# Allegro board 8880F5-0826_3.brd (continued)
## Routing (per net, layer and track width the routed paths; a pad name or vN(x,y) marks a point on that pad's centre or on a via; arc(x,y) is an arc through that point) (continued)
; D122.B6 246.38,82.09 ; D122.B6 245.57,81.28 ; D231.A16 162.56,374.19 ; D231.A16 163.37,373.38 ; D231.A16 161.75,373.38 ; D231.A16 162.56,372.57 ; D122.A16 272.59,76.2 ; D122.A16 270.97,76.2 ; D122.A16 271.78,77.01 ; D122.A16 271.78,75.39 ; 347.17,375.92 D115.A1 ; D115.A1 347.98,375.11 ; D115.A1 347.98,376.73 ; D115.A1 348.79,375.92 ; D126.B9 33.83,78.74 ; D126.B9 32.21,78.74 ; D126.B9 33.02,77.93 ; D126.B9 33.02,79.55 ; D119.B8 178.61,60.96 ; D119.B8 177.8,61.77 ; D119.B8 177.8,60.15 ; D119.B8 176.99,60.96 ; 238.05,63.5 D322.A3 ; D322.A3 238.76,62.79 ; D322.A3 239.47,63.5 ; D322.A3 238.76,64.21 ; 25.4,100.79 D125.B6 ; D125.B6 25.4,102.41 ; D125.B6 26.21,101.6 ; D125.B6 24.59,101.6 ; 232.97,88.9 D321.B1 ; D321.B1 233.68,89.61 ; D321.B1 233.68,88.19 ; D321.B1 234.39,88.9 ; 342.9,334.47 D113.A3 ; D113.A3 342.09,335.28 ; D113.A3 342.9,336.09 ; D113.A3 343.71,335.28 ; D103.B15 342.9,59.23 ; D103.B15 343.71,58.42 ; D103.B15 342.09,58.42 ; D103.B15 342.9,57.61 ; D102.B11 333.55,78.74 ; D102.B11 332.74,79.55 ; D102.B11 331.93,78.74 ; D102.B11 332.74,77.93 ; D130.B3 91.44,79.55 ; D130.B3 92.25,78.74 ; D130.B3 91.44,77.93 ; D130.B3 90.63,78.74 ; D305.A6 393.7,87.07 ; D305.A6 392.99,86.36 ; D305.A6 394.41,86.36 ; D305.A6 393.7,85.65 ; 265.89,55.88 D123.A14 ; D123.A14 266.7,56.69 ; D123.A14 267.51,55.88 ; D123.A14 266.7,55.07 ; D305.B13 412.19,88.9 ; D305.B13 411.48,89.61 ; D305.B13 410.77,88.9 ; D305.B13 411.48,88.19 ; D132.B14 119.38,41.45 ; D132.B14 119.38,39.83 ; D132.B14 118.57,40.64 ; D132.B14 120.19,40.64 ; D116.B14 314.96,389.43 ; D116.B14 314.15,388.62 ; D116.B14 314.96,387.81 ; D116.B14 315.77,388.62 ; D128.B11 38.1,38.91 ; D128.B11 38.91,38.1 ; D128.B11 38.1,37.29 ; D128.B11 37.29,38.1 ; 166.83,378.46 D431.B14 ; D431.B14 168.45,378.46 ; D431.B14 167.64,379.27 ; D431.B14 167.64,377.65 ; 311.61,335.28 D113.A15 ; D113.A15 312.42,336.09 ; D113.A15 312.42,334.47 ; D113.A15 313.23,335.28 ; 88.09,96.52 D129.A2 ; D129.A2 88.9,95.71 ; D129.A2 89.71,96.52 ; D129.A2 88.9,97.33 ; D321.A12 261.62,87.07 ; D321.A12 262.33,86.36 ; D321.A12 261.62,85.65 ; D321.A12 260.91,86.36 ; D122.A12 261.62,77.01 ; D122.A12 261.62,75.39 ; D122.A12 260.81,76.2 ; D122.A12 262.43,76.2 ; D125.B11 38.91,99.06 ; D125.B11 37.29,99.06 ; D125.B11 38.1,99.87 ; D125.B11 38.1,98.25 ; 259.08,329.39 CSDPS225.C7 ; CSDPS225.C7 259.08,331.01 ; CSDPS225.C7 258.27,330.2 ; CSDPS225.C7 259.89,330.2 ; 337.11,63.5 D302.A13 ; D302.A13 337.82,62.79 ; D302.A13 338.53,63.5 ; D302.A13 337.82,64.21 ; 160.02,72.85 D118.A1 ; D118.A1 160.83,73.66 ; D118.A1 160.02,74.47 ; D118.A1 159.21,73.66 ; D116.A13 317.5,397.05 ; D116.A13 317.5,395.43 ; D116.A13 318.31,396.24 ; D116.A13 316.69,396.24 ; D131.B3 92.25,58.42 ; D131.B3 91.44,57.61 ; D131.B3 91.44,59.23 ; D131.B3 90.63,58.42 ; SITE1.G15 251.91,242.83 ; SITE1.G15 251.43,243.31 ; SITE1.G15 250.95,242.83 ; SITE1.G15 251.43,242.35 ; 307.34,72.85 D102.A1 ; D102.A1 306.53,73.66 ; D102.A1 308.15,73.66 ; D102.A1 307.34,74.47 ; D108.B16 419.91,40.64 ; D108.B16 419.1,41.45 ; D108.B16 418.29,40.64 ; D108.B16 419.1,39.83 ; D119.A4 167.64,56.69 ; D119.A4 168.45,55.88 ; D119.A4 167.64,55.07 ; D119.A4 166.83,55.88 ; 159.21,38.1 D120.B1 ; D120.B1 160.02,38.91 ; D120.B1 160.02,37.29 ; D120.B1 160.83,38.1 ; 316.69,355.6 D114.A13 ; D114.A13 317.5,356.41 ; D114.A13 317.5,354.79 ; D114.A13 318.31,355.6 ; 198.12,331.93 CSDPS229.B2 ; CSDPS229.B2 198.12,333.55 ; CSDPS229.B2 197.31,332.74 ; CSDPS229.B2 198.93,332.74 ; 184.61,38.1 D120.B11 ; D120.B11 185.42,37.29 ; D120.B11 186.23,38.1 ; D120.B11 185.42,38.91 ; 91.44,37.29 D132.B3 ; D132.B3 91.44,38.91 ; D132.B3 90.63,38.1 ; D132.B3 92.25,38.1 ; 177.8,85.65 D317.A8 ; D317.A8 177.09,86.36 ; D317.A8 178.51,86.36 ; D317.A8 177.8,87.07 ; DPS8.A05 191.31,415.29 ; DPS8.A05 189.69,415.29 ; DPS8.A05 190.5,414.48 ; DPS8.A05 190.5,416.1 ; D131.B13 116.84,59.23 ; D131.B13 116.03,58.42 ; D131.B13 116.84,57.61 ; D131.B13 117.65,58.42 ; 237.95,73.66 D122.A3 ; D122.A3 239.57,73.66 ; D122.A3 238.76,72.85 ; D122.A3 238.76,74.47 ; D106.B8 399.59,81.28 ; D106.B8 397.97,81.28 ; D106.B8 398.78,82.09 ; D106.B8 398.78,80.47 ; D431.B12 173.53,378.46 ; D431.B12 171.91,378.46 ; D431.B12 172.72,377.65 ; D431.B12 172.72,379.27 ; 335.28,352.25 D114.A6 ; D114.A6 336.09,353.06 ; D114.A6 334.47,353.06 ; D114.A6 335.28,353.87 ; D431.A17 160.02,386.89 ; D431.A17 159.21,386.08 ; D431.A17 160.83,386.08 ; D431.A17 160.02,385.27 ; D125.B1 12.7,99.87 ; D125.B1 11.89,99.06 ; D125.B1 13.51,99.06 ; D125.B1 12.7,98.25 ; 271.07,86.36 D321.A16 ; D321.A16 271.78,87.07 ; D321.A16 272.49,86.36 ; D321.A16 271.78,85.65 ; 197.31,81.28 D118.B16 ; D118.B16 198.93,81.28 ; D118.B16 198.12,80.47 ; D118.B16 198.12,82.09 ; 388.62,392.89 D112.A14 ; D112.A14 389.43,393.7 ; D112.A14 387.81,393.7 ; D112.A14 388.62,394.51 ; 250.65,35.56 D124.A8 ; D124.A8 251.46,36.37 ; D124.A8 251.46,34.75 ; D124.A8 252.27,35.56 ; D126.A14 45.72,77.01 ; D126.A14 45.72,75.39 ; D126.A14 46.53,76.2 ; D126.A14 44.91,76.2 ; SITE4.G15 331.43,183.31 ; SITE4.G15 330.95,182.83 ; SITE4.G15 331.91,182.83 ; SITE4.G15 331.43,182.35 ; D119.A8 177.8,56.69 ; D119.A8 176.99,55.88 ; D119.A8 178.61,55.88 ; D119.A8 177.8,55.07 ; 172.72,34.75 D120.A6 ; D120.A6 171.91,35.56 ; D120.A6 173.53,35.56 ; D120.A6 172.72,36.37 ; D114.B4 341.17,347.98 ; D114.B4 340.36,348.79 ; D114.B4 339.55,347.98 ; D114.B4 340.36,347.17 ; D111.B11 396.24,371.65 ; D111.B11 397.05,370.84 ; D111.B11 395.43,370.84 ; D111.B11 396.24,370.03 ; 319.23,40.64 D104.B6 ; D104.B6 320.04,41.45 ; D104.B6 320.04,39.83 ; D104.B6 320.85,40.64 ; D107.A2 383.54,56.69 ; D107.A2 383.54,55.07 ; D107.A2 382.73,55.88 ; D107.A2 384.35,55.88 ; 325.12,75.39 D102.A8 ; D102.A8 325.12,77.01 ; D102.A8 325.93,76.2 ; D102.A8 324.31,76.2 ; D306.A7 396.24,64.21 ; D306.A7 396.95,63.5 ; D306.A7 395.53,63.5 ; D306.A7 396.24,62.79 ; 166.83,35.56 D120.A4 ; D120.A4 167.64,36.37 ; D120.A4 167.64,34.75 ; D120.A4 168.45,35.56 ; 383.54,367.49 D111.B16 ; D111.B16 384.35,368.3 ; D111.B16 383.54,369.11 ; D111.B16 382.73,368.3 ; 185.42,88.19 D317.B11 ; D317.B11 186.13,88.9 ; D317.B11 184.71,88.9 ; D317.B11 185.42,89.61 ; 189.79,88.9 D317.B13 ; D317.B13 190.5,88.19 ; D317.B13 190.5,89.61 ; D317.B13 191.21,88.9 ; CSDPS429.B16 162.56,343.71 ; CSDPS429.B16 163.37,342.9 ; CSDPS429.B16 162.56,342.09 ; CSDPS429.B16 161.75,342.9 ; 116.84,93.17 D129.A13 ; D129.A13 116.84,94.79 ; D129.A13 117.65,93.98 ; D129.A13 116.03,93.98 ; 114.3,100.79 D129.B12 ; D129.B12 113.49,101.6 ; D129.B12 114.3,102.41 ; D129.B12 115.11,101.6 ; 339.55,40.64 D104.B14 ; D104.B14 340.36,39.83 ; D104.B14 340.36,41.45 ; D104.B14 341.17,40.64 ; 309.88,39.83 D104.B2 ; D104.B2 309.07,40.64 ; D104.B2 309.88,41.45 ; D104.B2 310.69,40.64 ; CSDPS429.B2 198.12,343.71 ; CSDPS429.B2 197.31,342.9 ; CSDPS429.B2 198.93,342.9 ; CSDPS429.B2 198.12,342.09 ; 398.78,75.39 D106.A8 ; D106.A8 399.59,76.2 ; D106.A8 398.78,77.01 ; D106.A8 397.97,76.2 ; D431.A5 191.31,386.08 ; D431.A5 190.5,386.89 ; D431.A5 189.69,386.08 ; D431.A5 190.5,385.27 ; D306.B16 419.81,71.12 ; D306.B16 419.1,70.41 ; D306.B16 419.1,71.83 ; D306.B16 418.39,71.12 ; 331.93,330.2 D113.B7 ; D113.B7 332.74,331.01 ; D113.B7 333.55,330.2 ; D113.B7 332.74,329.39 ; D119.A10 182.88,56.69 ; D119.A10 182.07,55.88 ; D119.A10 182.88,55.07 ; D119.A10 183.69,55.88 ; 331.93,73.66 D102.A11 ; D102.A11 332.74,72.85 ; D102.A11 333.55,73.66 ; D102.A11 332.74,74.47 ; 119.38,60.15 D131.B14 ; D131.B14 119.38,61.77 ; D131.B14 118.57,60.96 ; D131.B14 120.19,60.96 ; D107.B12 409.75,60.96 ; D107.B12 408.94,61.77 ; D107.B12 408.94,60.15 ; D107.B12 408.13,60.96 ; D122.A7 249.73,73.66 ; D122.A7 248.11,73.66 ; D122.A7 248.92,74.47 ; D122.A7 248.92,72.85 ; 347.98,354.79 D114.A1 ; D114.A1 348.79,355.6 ; D114.A1 347.98,356.41 ; D114.A1 347.17,355.6 ; 321.77,415.29 DPS2.A11 ; DPS2.A11 322.58,414.48 ; DPS2.A11 322.58,416.1 ; DPS2.A11 323.39,415.29 ; D125.A5 22.86,94.79 ; D125.A5 22.86,93.17 ; D125.A5 23.67,93.98 ; D125.A5 22.05,93.98 ; 261.62,55.07 D123.A12 ; D123.A12 261.62,56.69 ; D123.A12 262.43,55.88 ; D123.A12 260.81,55.88 ; D129.B15 121.92,99.87 ; D129.B15 121.11,99.06 ; D129.B15 121.92,98.25 ; D129.B15 122.73,99.06 ; 236.22,34.75 D124.A2 ; D124.A2 236.22,36.37 ; D124.A2 235.41,35.56 ; D124.A2 237.03,35.56 ; 189.69,73.66 D118.A13 ; D118.A13 191.31,73.66 ; D118.A13 190.5,72.85 ; D118.A13 190.5,74.47 ; D301.A8 325.12,87.07 ; D301.A8 325.83,86.36 ; D301.A8 325.12,85.65 ; D301.A8 324.41,86.36 ; D120.B7 176.07,38.1 ; D120.B7 175.26,38.91 ; D120.B7 175.26,37.29 ; D120.B7 174.45,38.1 ; D116.B9 328.47,391.16 ; D116.B9 327.66,390.35 ; D116.B9 326.85,391.16 ; D116.B9 327.66,391.97 ; 314.96,75.39 D102.A4 ; D102.A4 315.77,76.2 ; D102.A4 314.96,77.01 ; D102.A4 314.15,76.2 ; 166.93,86.36 D317.A4 ; D317.A4 167.64,85.65 ; D317.A4 168.35,86.36 ; D317.A4 167.64,87.07 ; 344.63,327.66 D113.B2 ; D113.B2 345.44,326.85 ; D113.B2 346.25,327.66 ; D113.B2 345.44,328.47 ; 406.4,67.87 D306.B11 ; D306.B11 406.4,69.29 ; D306.B11 405.69,68.58 ; D306.B11 407.11,68.58 ; D124.A3 238.76,33.83 ; D124.A3 237.95,33.02 ; D124.A3 239.57,33.02 ; D124.A3 238.76,32.21 ; D322.B14 266.7,71.83 ; D322.B14 266.7,70.41 ; D322.B14 267.41,71.12 ; D322.B14 265.99,71.12 ; 329.39,327.66 D113.B8 ; D113.B8 331.01,327.66 ; D113.B8 330.2,328.47 ; D113.B8 330.2,326.85 ; D321.B12 262.33,91.44 ; D321.B12 260.91,91.44 ; D321.B12 261.62,90.73 ; D321.B12 261.62,92.15 ; 481.65,185.11 UNK4U1.4 ; UNK4U1.4 482.59,186.05 ; UNK4U1.4 482.59,184.17 ; UNK4U1.4 483.53,185.11 ; 314.15,35.56 D104.A4 ; D104.A4 315.77,35.56 ; D104.A4 314.96,34.75 ; D104.A4 314.96,36.37 ; D127.B11 38.1,59.23 ; D127.B11 37.29,58.42 ; D127.B11 38.91,58.42 ; D127.B11 38.1,57.61 ; D318.A11 185.42,64.21 ; D318.A11 184.71,63.5 ; D318.A11 185.42,62.79 ; D318.A11 186.13,63.5 ; DPS1.A01 381.81,13.97 ; DPS1.A01 381,14.78 ; DPS1.A01 381,13.16 ; DPS1.A01 380.19,13.97 ; 329.33,180.85 SITE4.G2 ; SITE4.G2 329.81,181.33 ; SITE4.G2 328.85,181.33 ; SITE4.G2 329.33,181.81 ; D102.B13 338.63,78.74 ; D102.B13 337.82,77.93 ; D102.B13 337.01,78.74 ; D102.B13 337.82,79.55 ; 327.66,52.53 D103.A9 ; D103.A9 327.66,54.15 ; D103.A9 326.85,53.34 ; D103.A9 328.47,53.34 ; 265.89,342.9 CSDPS425.B4 ; CSDPS425.B4 266.7,342.09 ; CSDPS425.B4 266.7,343.71 ; CSDPS425.B4 267.51,342.9 ; SITE2.G10 331.81,247.93 ; SITE2.G10 331.33,247.45 ; SITE2.G10 331.33,248.41 ; SITE2.G10 330.85,247.93 ; 335.28,347.17 D114.B6 ; D114.B6 335.28,348.79 ; D114.B6 334.47,347.98 ; D114.B6 336.09,347.98 ; D305.A9 402.03,83.82 ; D305.A9 401.32,83.11 ; D305.A9 400.61,83.82 ; D305.A9 401.32,84.53 ; D103.B3 313.23,58.42 ; D103.B3 312.42,57.61 ; D103.B3 311.61,58.42 ; D103.B3 312.42,59.23 ; 253.29,83.82 D321.A9 ; D321.A9 254.71,83.82 ; D321.A9 254,83.11 ; D321.A9 254,84.53 ; D102.A3 312.42,74.47 ; D102.A3 313.23,73.66 ; D102.A3 311.61,73.66 ; D102.A3 312.42,72.85 ; D103.B6 320.85,60.96 ; D103.B6 319.23,60.96 ; D103.B6 320.04,61.77 ; D103.B6 320.04,60.15 ; 113.49,35.56 D132.A12 ; D132.A12 114.3,36.37 ; D132.A12 115.11,35.56 ; D132.A12 114.3,34.75 ; D124.B16 271.78,41.45 ; D124.B16 272.59,40.64 ; D124.B16 270.97,40.64 ; D124.B16 271.78,39.83 ; 411.48,57.61 D107.B13 ; D107.B13 410.67,58.42 ; D107.B13 412.29,58.42 ; D107.B13 411.48,59.23 ; 165.1,83.11 D317.A3 ; D317.A3 165.1,84.53 ; D317.A3 164.39,83.82 ; D317.A3 165.81,83.82 ; D305.B11 406.4,89.61 ; D305.B11 405.69,88.9 ; D305.B11 407.11,88.9 ; D305.B11 406.4,88.19 ; D106.A2 383.54,77.01 ; D106.A2 384.35,76.2 ; D106.A2 382.73,76.2 ; D106.A2 383.54,75.39 ; 16.97,33.02 D128.A3 ; D128.A3 17.78,33.83 ; D128.A3 17.78,32.21 ; D128.A3 18.59,33.02 ; D109.A9 401.32,336.09 ; D109.A9 400.51,335.28 ; D109.A9 402.13,335.28 ; D109.A9 401.32,334.47 ; 164.39,68.58 D318.B3 ; D318.B3 165.81,68.58 ; D318.B3 165.1,69.29 ; D318.B3 165.1,67.87 ; D123.A15 269.24,54.15 ; D123.A15 270.05,53.34 ; D123.A15 269.24,52.53 ; D123.A15 268.43,53.34 ; D132.A14 119.38,36.37 ; D132.A14 119.38,34.75 ; D132.A14 118.57,35.56 ; D132.A14 120.19,35.56 ; D110.B3 416.56,351.33 ; D110.B3 417.37,350.52 ; D110.B3 416.56,349.71 ; D110.B3 415.75,350.52 ; 182.17,86.36 D317.A10 ; D317.A10 182.88,87.07 ; D317.A10 182.88,85.65 ; D317.A10 183.59,86.36 ; 255.73,40.64 D124.B10 ; D124.B10 256.54,39.83 ; D124.B10 256.54,41.45 ; D124.B10 257.35,40.64 ; 345.44,387.81 D116.B2 ; D116.B2 345.44,389.43 ; D116.B2 344.63,388.62 ; D116.B2 346.25,388.62 ; 335.28,80.47 D102.B12 ; D102.B12 334.47,81.28 ; D102.B12 335.28,82.09 ; D102.B12 336.09,81.28 ; 340.36,367.49 D115.B4 ; D115.B4 341.17,368.3 ; D115.B4 340.36,369.11 ; D115.B4 339.55,368.3 ; 408.23,86.36 D305.A12 ; D305.A12 409.65,86.36 ; D305.A12 408.94,87.07 ; D305.A12 408.94,85.65 ; D116.A16 310.69,393.7 ; D116.A16 309.88,394.51 ; D116.A16 309.88,392.89 ; D116.A16 309.07,393.7 ; 405.59,375.92 D111.A7 ; D111.A7 406.4,376.73 ; D111.A7 406.4,375.11 ; D111.A7 407.21,375.92 ; D129.B7 102.41,99.06 ; D129.B7 100.79,99.06 ; D129.B7 101.6,99.87 ; D129.B7 101.6,98.25 ; CSDPS225.B8 256.54,333.55 ; CSDPS225.B8 255.73,332.74 ; CSDPS225.B8 257.35,332.74 ; CSDPS225.B8 256.54,331.93 ; D124.B5 244.65,38.1 ; D124.B5 243.03,38.1 ; D124.B5 243.84,37.29 ; D124.B5 243.84,38.91 ; 398.78,85.65 D305.A8 ; D305.A8 399.49,86.36 ; D305.A8 398.78,87.07 ; D305.A8 398.07,86.36 ; D103.A10 330.2,56.69 ; D103.A10 329.39,55.88 ; D103.A10 331.01,55.88 ; D103.A10 330.2,55.07 ; 172.72,367.49 D231.B12 ; D231.B12 171.91,368.3 ; D231.B12 172.72,369.11 ; D231.B12 173.53,368.3 ; D431.B5 191.31,381 ; D431.B5 189.69,381 ; D431.B5 190.5,380.19 ; D431.B5 190.5,381.81 ; D301.A12 335.28,87.07 ; D301.A12 335.28,85.65 ; D301.A12 335.99,86.36 ; D301.A12 334.57,86.36 ; 392.89,40.64 D108.B6 ; D108.B6 393.7,41.45 ; D108.B6 394.51,40.64 ; D108.B6 393.7,39.83 ; CSDPS229.C15 165.1,331.01 ; CSDPS229.C15 164.29,330.2 ; CSDPS229.C15 165.91,330.2 ; CSDPS229.C15 165.1,329.39 ; D108.B5 391.97,38.1 ; D108.B5 391.16,37.29 ; D108.B5 390.35,38.1 ; D108.B5 391.16,38.91 ; 88.9,80.47 D130.B2 ; D130.B2 88.9,82.09 ; D130.B2 88.09,81.28 ; D130.B2 89.71,81.28 ; D112.A10 399.59,393.7 ; D112.A10 397.97,393.7 ; D112.A10 398.78,392.89 ; D112.A10 398.78,394.51 ; 174.45,386.08 D431.A11 ; D431.A11 176.07,386.08 ; D431.A11 175.26,385.27 ; D431.A11 175.26,386.89 ; D112.B3 417.37,391.16 ; D112.B3 415.75,391.16 ; D112.B3 416.56,391.97 ; D112.B3 416.56,390.35 ; 415.75,33.02 D108.A15 ; D108.A15 416.56,33.83 ; D108.A15 416.56,32.21 ; D108.A15 417.37,33.02 ; D112.B11 396.24,391.97 ; D112.B11 397.05,391.16 ; D112.B11 395.43,391.16 ; D112.B11 396.24,390.35 ; 98.25,96.52 D129.A6 ; D129.A6 99.06,97.33 ; D129.A6 99.87,96.52 ; D129.A6 99.06,95.71 ; D129.B11 112.57,99.06 ; D129.B11 111.76,98.25 ; D129.B11 111.76,99.87 ; D129.B11 110.95,99.06 ; SITE1.G17 249.51,246.43 ; SITE1.G17 248.55,246.43 ; SITE1.G17 249.03,245.95 ; SITE1.G17 249.03,246.91 ; 419.1,60.15 D107.B16 ; D107.B16 419.1,61.77 ; D107.B16 419.91,60.96 ; D107.B16 418.29,60.96 ; 15.24,34.75 D128.A2 ; D128.A2 14.43,35.56 ; D128.A2 15.24,36.37 ; D128.A2 16.05,35.56 ; D306.A14 414.02,66.75 ; D306.A14 414.73,66.04 ; D306.A14 413.31,66.04 ; D306.A14 414.02,65.33 ; 406.4,52.53 D107.A11 ; D107.A11 405.59,53.34 ; D107.A11 407.21,53.34 ; D107.A11 406.4,54.15 ; DPS3.C15 269.24,19.86 ; DPS3.C15 269.24,18.24 ; DPS3.C15 268.43,19.05 ; DPS3.C15 270.05,19.05 ; D114.B11 322.58,351.33 ; D114.B11 321.77,350.52 ; D114.B11 323.39,350.52 ; D114.B11 322.58,349.71 ; SITE2.G6 333.81,241.33 ; SITE2.G6 332.85,241.33 ; SITE2.G6 333.33,240.85 ; SITE2.G6 333.33,241.81 ; D111.B5 411.48,371.65 ; D111.B5 410.67,370.84 ; D111.B5 412.29,370.84 ; D111.B5 411.48,370.03 ; 185.42,375.11 D231.A7 ; D231.A7 186.23,375.92 ; D231.A7 184.61,375.92 ; D231.A7 185.42,376.73 ; D119.A7 175.26,54.15 ; D119.A7 175.26,52.53 ; D119.A7 176.07,53.34 ; D119.A7 174.45,53.34 ; 332.15,246.43 SITE2.G20 ; SITE2.G20 332.63,245.95 ; SITE2.G20 333.11,246.43 ; SITE2.G20 332.63,246.91 ; D125.B12 40.64,102.41 ; D125.B12 39.83,101.6 ; D125.B12 41.45,101.6 ; D125.B12 40.64,100.79 ; D104.A15 342.9,33.83 ; D104.A15 343.71,33.02 ; D104.A15 342.9,32.21 ; D104.A15 342.09,33.02 ; D131.B8 104.14,61.77 ; D131.B8 103.33,60.96 ; D131.B8 104.95,60.96 ; D131.B8 104.14,60.15 ; SITE3.G9 250.33,188.41 ; SITE3.G9 250.33,187.45 ; SITE3.G9 250.81,187.93 ; SITE3.G9 249.85,187.93 ; 398.78,70.41 D306.B8 ; D306.B8 398.78,71.83 ; D306.B8 398.07,71.12 ; D306.B8 399.49,71.12 ; 189.69,33.02 D120.A13 ; D120.A13 190.5,32.21 ; D120.A13 191.31,33.02 ; D120.A13 190.5,33.83 ; 159.21,58.42 D119.B1 ; D119.B1 160.02,57.61 ; D119.B1 160.02,59.23 ; D119.B1 160.83,58.42 ; 248.92,77.93 D122.B7 ; D122.B7 248.92,79.55 ; D122.B7 249.73,78.74 ; D122.B7 248.11,78.74 ; 250.85,187.93 SITE3.G10 ; SITE3.G10 251.33,188.41 ; SITE3.G10 251.81,187.93 ; SITE3.G10 251.33,187.45 ; 381,52.53 D107.A1 ; D107.A1 381.81,53.34 ; D107.A1 380.19,53.34 ; D107.A1 381,54.15 ; D103.B2 310.69,60.96 ; D103.B2 309.07,60.96 ; D103.B2 309.88,60.15 ; D103.B2 309.88,61.77 ; D127.A11 38.1,54.15 ; D127.A11 38.91,53.34 ; D127.A11 37.29,53.34 ; D127.A11 38.1,52.53 ; D321.B7 248.92,89.61 ; D321.B7 249.63,88.9 ; D321.B7 248.21,88.9 ; D321.B7 248.92,88.19 ; 331.43,242.35 SITE2.G15 ; SITE2.G15 331.91,242.83 ; SITE2.G15 331.43,243.31 ; SITE2.G15 330.95,242.83 ; D322.B3 238.76,69.29 ; D322.B3 239.47,68.58 ; D322.B3 238.76,67.87 ; D322.B3 238.05,68.58 ; D131.B10 110.03,60.96 ; D131.B10 108.41,60.96 ; D131.B10 109.22,61.77 ; D131.B10 109.22,60.15 ; SITE3.G17 249.03,186.91 ; SITE3.G17 248.55,186.43 ; SITE3.G17 249.03,185.95 ; SITE3.G17 249.51,186.43 ; 247.85,187.93 SITE3.G7 ; SITE3.G7 248.81,187.93 ; SITE3.G7 248.33,187.45 ; SITE3.G7 248.33,188.41 ; CSDPS425.C3 269.24,341.17 ; CSDPS425.C3 270.05,340.36 ; CSDPS425.C3 269.24,339.55 ; CSDPS425.C3 268.43,340.36 ; D322.B16 271.78,71.83 ; D322.B16 271.78,70.41 ; D322.B16 272.49,71.12 ; D322.B16 271.07,71.12 ; D431.A16 163.37,383.54 ; D431.A16 162.56,384.35 ; D431.A16 162.56,382.73 ; D431.A16 161.75,383.54 ; SITE2.G12 333.81,247.93 ; SITE2.G12 333.33,247.45 ; SITE2.G12 333.33,248.41 ; SITE2.G12 332.85,247.93 ; 175.26,67.87 D318.B7 ; D318.B7 175.97,68.58 ; D318.B7 175.26,69.29 ; D318.B7 174.55,68.58 ; D104.B10 331.01,40.64 ; D104.B10 330.2,39.83 ; D104.B10 329.39,40.64 ; D104.B10 330.2,41.45 ; D113.A8 331.01,332.74 ; D113.A8 330.2,331.93 ; D113.A8 329.39,332.74 ; D113.A8 330.2,333.55 ; D120.B12 187.96,41.45 ; D120.B12 188.77,40.64 ; D120.B12 187.15,40.64 ; D120.B12 187.96,39.83 ; D109.A16 383.54,333.55 ; D109.A16 382.73,332.74 ; D109.A16 383.54,331.93 ; D109.A16 384.35,332.74 ; D116.B3 343.71,391.16 ; D116.B3 342.09,391.16 ; D116.B3 342.9,390.35 ; D116.B3 342.9,391.97 ; 25.4,55.07 D127.A6 ; D127.A6 26.21,55.88 ; D127.A6 25.4,56.69 ; D127.A6 24.59,55.88 ; D115.B1 348.79,370.84 ; D115.B1 347.98,370.03 ; D115.B1 347.17,370.84 ; D115.B1 347.98,371.65 ; SITE3.G8 249.33,188.41 ; SITE3.G8 249.81,187.93 ; SITE3.G8 249.33,187.45 ; SITE3.G8 248.85,187.93 ; D124.B2 236.22,41.45 ; D124.B2 236.22,39.83 ; D124.B2 237.03,40.64 ; D124.B2 235.41,40.64 ; D118.A16 198.12,77.01 ; D118.A16 198.93,76.2 ; D118.A16 197.31,76.2 ; D118.A16 198.12,75.39 ; 406.4,370.03 D111.B7 ; D111.B7 407.21,370.84 ; D111.B7 406.4,371.65 ; D111.B7 405.59,370.84 ; SITE2.G17 329.03,246.91 ; SITE2.G17 329.51,246.43 ; SITE2.G17 329.03,245.95 ; SITE2.G17 328.55,246.43 ; DPS1.C01 381,19.86 ; DPS1.C01 381.81,19.05 ; DPS1.C01 380.19,19.05 ; DPS1.C01 381,18.24 ; 403.15,86.36 D305.A10 ; D305.A10 403.86,85.65 ; D305.A10 404.57,86.36 ; D305.A10 403.86,87.07 ; D112.B15 386.89,391.16 ; D112.B15 385.27,391.16 ; D112.B15 386.08,391.97 ; D112.B15 386.08,390.35 ; D109.A8 404.67,332.74 ; D109.A8 403.05,332.74 ; D109.A8 403.86,331.93 ; D109.A8 403.86,333.55 ; D120.B6 173.53,40.64 ; D120.B6 171.91,40.64 ; D120.B6 172.72,41.45 ; D120.B6 172.72,39.83 ; D115.B3 342.9,371.65 ; D115.B3 343.71,370.84 ; D115.B3 342.9,370.03 ; D115.B3 342.09,370.84 ; 395.53,83.82 D305.A7 ; D305.A7 396.95,83.82 ; D305.A7 396.24,84.53 ; D305.A7 396.24,83.11 ; 176.99,35.56 D120.A8 ; D120.A8 178.61,35.56 ; D120.A8 177.8,34.75 ; D120.A8 177.8,36.37 ; 164.29,73.66 D118.A3 ; D118.A3 165.1,74.47 ; D118.A3 165.1,72.85 ; D118.A3 165.91,73.66 ; 27.13,38.1 D128.B7 ; D128.B7 28.75,38.1 ; D128.B7 27.94,37.29 ; D128.B7 27.94,38.91 ; 387.81,55.88 D107.A4 ; D107.A4 388.62,55.07 ; D107.A4 389.43,55.88 ; D107.A4 388.62,56.69 ; SITE4.G17 329.51,186.43 ; SITE4.G17 328.55,186.43 ; SITE4.G17 329.03,185.95 ; SITE4.G17 329.03,186.91 ; 29.67,60.96 D127.B8 ; D127.B8 31.29,60.96 ; D127.B8 30.48,60.15 ; D127.B8 30.48,61.77 ; 256.54,80.47 D122.B10 ; D122.B10 256.54,82.09 ; D122.B10 255.73,81.28 ; D122.B10 257.35,81.28 ; D306.B12 409.65,71.12 ; D306.B12 408.94,71.83 ; D306.B12 408.23,71.12 ; D306.B12 408.94,70.41 ; 390.45,63.5 D306.A5 ; D306.A5 391.87,63.5 ; D306.A5 391.16,64.21 ; D306.A5 391.16,62.79 ; 327.66,349.71 D114.B9 ; D114.B9 326.85,350.52 ; D114.B9 328.47,350.52 ; D114.B9 327.66,351.33 ; 395.43,335.28 D109.A11 ; D109.A11 396.24,334.47 ; D109.A11 396.24,336.09 ; D109.A11 397.05,335.28 ; 253.19,73.66 D122.A9 ; D122.A9 254.81,73.66 ; D122.A9 254,74.47 ; D122.A9 254,72.85 ; D119.A15 196.39,53.34 ; D119.A15 195.58,52.53 ; D119.A15 195.58,54.15 ; D119.A15 194.77,53.34 ; 47.45,73.66 D126.A15 ; D126.A15 49.07,73.66 ; D126.A15 48.26,72.85 ; D126.A15 48.26,74.47 ; D122.A11 259.89,73.66 ; D122.A11 259.08,72.85 ; D122.A11 259.08,74.47 ; D122.A11 258.27,73.66 ; D130.A3 91.44,74.47 ; D130.A3 91.44,72.85 ; D130.A3 92.25,73.66 ; D130.A3 90.63,73.66 ; 22.05,78.74 D126.B5 ; D126.B5 22.86,79.55 ; D126.B5 23.67,78.74 ; D126.B5 22.86,77.93 ; D104.B11 333.55,38.1 ; D104.B11 332.74,38.91 ; D104.B11 331.93,38.1 ; D104.B11 332.74,37.29 ; 317.5,57.61 D103.B5 ; D103.B5 316.69,58.42 ; D103.B5 318.31,58.42 ; D103.B5 317.5,59.23 ; 248.92,37.29 D124.B7 ; D124.B7 248.11,38.1 ; D124.B7 248.92,38.91 ; D124.B7 249.73,38.1 ; 103.33,35.56 D132.A8 ; D132.A8 104.14,36.37 ; D132.A8 104.95,35.56 ; D132.A8 104.14,34.75 ; 162.56,90.73 D317.B2 ; D317.B2 163.27,91.44 ; D317.B2 162.56,92.15 ; D317.B2 161.85,91.44 ; D103.B11 333.55,58.42 ; D103.B11 332.74,57.61 ; D103.B11 331.93,58.42 ; D103.B11 332.74,59.23 ; D113.A10 325.12,333.55 ; D113.A10 325.93,332.74 ; D113.A10 325.12,331.93 ; D113.A10 324.31,332.74 ; D127.A8 31.29,55.88 ; D127.A8 30.48,55.07 ; D127.A8 30.48,56.69 ; D127.A8 29.67,55.88 ; D231.B11 175.26,371.65 ; D231.B11 175.26,370.03 ; D231.B11 176.07,370.84 ; D231.B11 174.45,370.84 ; D118.B12 187.96,82.09 ; D118.B12 187.96,80.47 ; D118.B12 187.15,81.28 ; D118.B12 188.77,81.28 ; D302.B12 335.28,71.83 ; D302.B12 335.99,71.12 ; D302.B12 335.28,70.41 ; D302.B12 334.57,71.12 ; 332.74,83.11 D301.A11 ; D301.A11 333.45,83.82 ; D301.A11 332.74,84.53 ; D301.A11 332.03,83.82 ; D115.B13 318.31,370.84 ; D115.B13 317.5,370.03 ; D115.B13 316.69,370.84 ; D115.B13 317.5,371.65 ; 119.38,80.47 D130.B14 ; D130.B14 118.57,81.28 ; D130.B14 120.19,81.28 ; D130.B14 119.38,82.09 ; 185.42,380.19 D431.B7 ; D431.B7 185.42,381.81 ; D431.B7 184.61,381 ; D431.B7 186.23,381 ; D126.B13 43.18,79.55 ; D126.B13 43.99,78.74 ; D126.B13 42.37,78.74 ; D126.B13 43.18,77.93 ; 121.11,53.34 D131.A15 ; D131.A15 122.73,53.34 ; D131.A15 121.92,54.15 ; D131.A15 121.92,52.53 ; D113.A13 317.5,336.09 ; D113.A13 318.31,335.28 ; D113.A13 317.5,334.47 ; D113.A13 316.69,335.28 ; 24.59,40.64 D128.B6 ; D128.B6 26.21,40.64 ; D128.B6 25.4,39.83 ; D128.B6 25.4,41.45 ; DPS2.A01 347.98,416.1 ; DPS2.A01 347.17,415.29 ; DPS2.A01 348.79,415.29 ; DPS2.A01 347.98,414.48 ; D132.A5 96.52,33.83 ; D132.A5 97.33,33.02 ; D132.A5 95.71,33.02 ; D132.A5 96.52,32.21 ; D106.B13 412.29,78.74 ; D106.B13 410.67,78.74 ; D106.B13 411.48,79.55 ; D106.B13 411.48,77.93 ; 311.61,410.21 DPS2.C15 ; DPS2.C15 312.42,409.4 ; DPS2.C15 313.23,410.21 ; DPS2.C15 312.42,411.02 ; D104.A8 325.93,35.56 ; D104.A8 325.12,36.37 ; D104.A8 325.12,34.75 ; D104.A8 324.31,35.56 ; D114.A9 327.66,356.41 ; D114.A9 328.47,355.6 ; D114.A9 326.85,355.6 ; D114.A9 327.66,354.79 ; D102.A5 317.5,74.47 ; D102.A5 318.31,73.66 ; D102.A5 316.69,73.66 ; D102.A5 317.5,72.85 ; D318.A9 181.05,63.5 ; D318.A9 180.34,64.21 ; D318.A9 179.63,63.5 ; D318.A9 180.34,62.79 ; 45.72,34.75 D128.A14 ; D128.A14 44.91,35.56 ; D128.A14 46.53,35.56 ; D128.A14 45.72,36.37 ; D125.B7 28.75,99.06 ; D125.B7 27.13,99.06 ; D125.B7 27.94,98.25 ; D125.B7 27.94,99.87 ; D129.A7 102.41,93.98 ; D129.A7 100.79,93.98 ; D129.A7 101.6,94.79 ; D129.A7 101.6,93.17 ; 42.37,33.02 D128.A13 ; D128.A13 43.18,33.83 ; D128.A13 43.18,32.21 ; D128.A13 43.99,33.02 ; 238.76,52.53 D123.A3 ; D123.A3 238.76,54.15 ; D123.A3 239.57,53.34 ; D123.A3 237.95,53.34 ; 174.45,330.2 CSDPS229.C11 ; CSDPS229.C11 176.07,330.2 ; CSDPS229.C11 175.26,331.01 ; CSDPS229.C11 175.26,329.39 ; 344.63,368.3 D115.B2 ; D115.B2 345.44,369.11 ; D115.B2 345.44,367.49 ; D115.B2 346.25,368.3 ; D119.B15 196.39,58.42 ; D119.B15 194.77,58.42 ; D119.B15 195.58,57.61 ; D119.B15 195.58,59.23 ; D317.B5 170.18,89.61 ; D317.B5 170.18,88.19 ; D317.B5 170.89,88.9 ; D317.B5 169.47,88.9 ; D106.A5 391.97,73.66 ; D106.A5 391.16,74.47 ; D106.A5 391.16,72.85 ; D106.A5 390.35,73.66 ; D111.B10 398.78,369.11 ; D111.B10 397.97,368.3 ; D111.B10 399.59,368.3 ; D111.B10 398.78,367.49 ; D104.A9 327.66,33.83 ; D104.A9 327.66,32.21 ; D104.A9 326.85,33.02 ; D104.A9 328.47,33.02 ; D109.A4 414.02,333.55 ; D109.A4 414.83,332.74 ; D109.A4 414.02,331.93 ; D109.A4 413.21,332.74 ; D110.A1 422.45,355.6 ; D110.A1 421.64,354.79 ; D110.A1 420.83,355.6 ; D110.A1 421.64,356.41 ; D124.A14 267.51,35.56 ; D124.A14 266.7,34.75 ; D124.A14 266.7,36.37 ; D124.A14 265.89,35.56 ; D128.A15 49.07,33.02 ; D128.A15 48.26,33.83 ; D128.A15 48.26,32.21 ; D128.A15 47.45,33.02 ; D124.B14 266.7,41.45 ; D124.B14 265.89,40.64 ; D124.B14 266.7,39.83 ; D124.B14 267.51,40.64 ; D129.A9 107.49,93.98 ; D129.A9 105.87,93.98 ; D129.A9 106.68,94.79 ; D129.A9 106.68,93.17 ; 265.89,332.74 CSDPS225.B4 ; CSDPS225.B4 267.51,332.74 ; CSDPS225.B4 266.7,333.55 ; CSDPS225.B4 266.7,331.93 ; 20.32,55.07 D127.A4 ; D127.A4 21.13,55.88 ; D127.A4 19.51,55.88 ; D127.A4 20.32,56.69 ; 335.28,55.07 D103.A12 ; D103.A12 334.47,55.88 ; D103.A12 336.09,55.88 ; D103.A12 335.28,56.69 ; 238.76,83.11 D321.A3 ; D321.A3 238.76,84.53 ; D321.A3 238.05,83.82 ; D321.A3 239.47,83.82 ; 160.02,88.19 D317.B1 ; D317.B1 160.73,88.9 ; D317.B1 159.31,88.9 ; D317.B1 160.02,89.61 ; D116.A3 343.71,396.24 ; D116.A3 342.09,396.24 ; D116.A3 342.9,395.43 ; D116.A3 342.9,397.05 ; 124.46,95.71 D129.A16 ; D129.A16 125.27,96.52 ; D129.A16 123.65,96.52 ; D129.A16 124.46,97.33 ; 337.01,73.66 D102.A13 ; D102.A13 337.82,74.47 ; D102.A13 338.63,73.66 ; D102.A13 337.82,72.85 ; 344.63,60.96 D103.B16 ; D103.B16 345.44,61.77 ; D103.B16 345.44,60.15 ; D103.B16 346.25,60.96 ; D318.B9 181.05,68.58 ; D318.B9 180.34,67.87 ; D318.B9 180.34,69.29 ; D318.B9 179.63,68.58 ; D126.B3 18.59,78.74 ; D126.B3 17.78,79.55 ; D126.B3 16.97,78.74 ; D126.B3 17.78,77.93 ; D110.B10 398.78,348.79 ; D110.B10 399.59,347.98 ; D110.B10 397.97,347.98 ; D110.B10 398.78,347.17 ; D301.B11 332.74,89.61 ; D301.B11 333.45,88.9 ; D301.B11 332.03,88.9 ; D301.B11 332.74,88.19 ; D106.B2 384.35,81.28 ; D106.B2 383.54,80.47 ; D106.B2 382.73,81.28 ; D106.B2 383.54,82.09 ; 159.21,370.84 D231.B17 ; D231.B17 160.02,371.65 ; D231.B17 160.02,370.03 ; D231.B17 160.83,370.84 ; D115.A5 337.82,376.73 ; D115.A5 338.63,375.92 ; D115.A5 337.01,375.92 ; D115.A5 337.82,375.11 ; 410.77,83.82 D305.A13 ; D305.A13 411.48,83.11 ; D305.A13 411.48,84.53 ; D305.A13 412.19,83.82 ; 50.8,34.75 D128.A16 ; D128.A16 49.99,35.56 ; D128.A16 51.61,35.56 ; D128.A16 50.8,36.37 ; 396.24,354.79 D110.A11 ; D110.A11 395.43,355.6 ; D110.A11 396.24,356.41 ; D110.A11 397.05,355.6 ; 403.15,91.44 D305.B10 ; D305.B10 403.86,90.73 ; D305.B10 404.57,91.44 ; D305.B10 403.86,92.15 ; D126.A5 23.67,73.66 ; D126.A5 22.86,74.47 ; D126.A5 22.05,73.66 ; D126.A5 22.86,72.85 ; D122.B3 239.57,78.74 ; D122.B3 238.76,79.55 ; D122.B3 238.76,77.93 ; D122.B3 237.95,78.74 ; 332.03,68.58 D302.B11 ; D302.B11 332.74,67.87 ; D302.B11 333.45,68.58 ; D302.B11 332.74,69.29 ; 11.89,53.34 D127.A1 ; D127.A1 12.7,54.15 ; D127.A1 13.51,53.34 ; D127.A1 12.7,52.53 ; D120.B14 193.04,41.45 ; D120.B14 193.85,40.64 ; D120.B14 193.04,39.83 ; D120.B14 192.23,40.64 ; 406.4,349.71 D110.B7 ; D110.B7 405.59,350.52 ; D110.B7 407.21,350.52 ; D110.B7 406.4,351.33 ; 337.82,32.21 D104.A13 ; D104.A13 338.63,33.02 ; D104.A13 337.01,33.02 ; D104.A13 337.82,33.83 ; D131.A4 94.79,55.88 ; D131.A4 93.98,55.07 ; D131.A4 93.17,55.88 ; D131.A4 93.98,56.69 ; 324.31,368.3 D115.B10 ; D115.B10 325.93,368.3 ; D115.B10 325.12,367.49 ; D115.B10 325.12,369.11 ; D302.A1 307.34,64.21 ; D302.A1 307.34,62.79 ; D302.A1 308.05,63.5 ; D302.A1 306.63,63.5 ; U1.4 97.04,206.48 ; U1.4 96.1,205.54 ; U1.4 97.98,205.54 ; U1.4 97.04,204.6 ; CSDPS425.C5 264.97,340.36 ; CSDPS425.C5 264.16,341.17 ; CSDPS425.C5 264.16,339.55 ; CSDPS425.C5 263.35,340.36 ; 166.83,373.38 D231.A14 ; D231.A14 167.64,374.19 ; D231.A14 168.45,373.38 ; D231.A14 167.64,372.57 ; D122.B2 237.03,81.28 ; D122.B2 236.22,82.09 ; D122.B2 236.22,80.47 ; D122.B2 235.41,81.28 ; 174.45,58.42 D119.B7 ; D119.B7 176.07,58.42 ; D119.B7 175.26,57.61 ; D119.B7 175.26,59.23 ; 309.17,71.12 D302.B2 ; D302.B2 309.88,71.83 ; D302.B2 309.88,70.41 ; D302.B2 310.59,71.12 ; D114.A3 342.9,356.41 ; D114.A3 343.71,355.6 ; D114.A3 342.09,355.6 ; D114.A3 342.9,354.79 ; 192.33,86.36 D317.A14 ; D317.A14 193.04,87.07 ; D317.A14 193.75,86.36 ; D317.A14 193.04,85.65 ; DPS1.A15 416.56,14.78 ; DPS1.A15 416.56,13.16 ; DPS1.A15 415.75,13.97 ; DPS1.A15 417.37,13.97 ; D318.A2 162.56,66.75 ; D318.A2 162.56,65.33 ; D318.A2 163.27,66.04 ; D318.A2 161.85,66.04 ; D128.A4 20.32,36.37 ; D128.A4 19.51,35.56 ; D128.A4 21.13,35.56 ; D128.A4 20.32,34.75 ; 393.7,372.57 D111.A12 ; D111.A12 394.51,373.38 ; D111.A12 392.89,373.38 ; D111.A12 393.7,374.19 ; D106.A16 419.91,76.2 ; D106.A16 419.1,75.39 ; D106.A16 418.29,76.2 ; D106.A16 419.1,77.01 ; 34.75,60.96 D127.B10 ; D127.B10 35.56,61.77 ; D127.B10 36.37,60.96 ; D127.B10 35.56,60.15 ; 328.85,187.93 SITE4.G8 ; SITE4.G8 329.33,187.45 ; SITE4.G8 329.33,188.41 ; SITE4.G8 329.81,187.93 ; D431.B3 196.39,381 ; D431.B3 195.58,380.19 ; D431.B3 195.58,381.81 ; D431.B3 194.77,381 ; 322.58,62.79 D302.A7 ; D302.A7 321.87,63.5 ; D302.A7 322.58,64.21 ; D302.A7 323.29,63.5 ; D103.A4 315.77,55.88 ; D103.A4 314.96,56.69 ; D103.A4 314.96,55.07 ; D103.A4 314.15,55.88 ; D322.A7 249.63,63.5 ; D322.A7 248.92,64.21 ; D322.A7 248.92,62.79 ; D322.A7 248.21,63.5 ; D107.B7 397.05,58.42 ; D107.B7 396.24,59.23 ; D107.B7 395.43,58.42 ; D107.B7 396.24,57.61 ; 241.3,342.09 CSDPS425.B14 ; CSDPS425.B14 241.3,343.71 ; CSDPS425.B14 240.49,342.9 ; CSDPS425.B14 242.11,342.9 ; 100.79,73.66 D130.A7 ; D130.A7 102.41,73.66 ; D130.A7 101.6,74.47 ; D130.A7 101.6,72.85 ; 249.03,182.35 SITE3.G13 ; SITE3.G13 248.55,182.83 ; SITE3.G13 249.03,183.31 ; SITE3.G13 249.51,182.83 ; SITE1.G7 248.33,248.41 ; SITE1.G7 248.33,247.45 ; SITE1.G7 248.81,247.93 ; SITE1.G7 247.85,247.93 ; D126.B7 27.94,79.55 ; D126.B7 28.75,78.74 ; D126.B7 27.94,77.93 ; D126.B7 27.13,78.74 ; SITE4.G10 331.81,187.93 ; SITE4.G10 331.33,188.41 ; SITE4.G10 330.85,187.93 ; SITE4.G10 331.33,187.45 ; D118.A7 175.26,74.47 ; D118.A7 175.26,72.85 ; D118.A7 174.45,73.66 ; D118.A7 176.07,73.66 ; 395.43,73.66 D106.A7 ; D106.A7 396.24,74.47 ; D106.A7 396.24,72.85 ; D106.A7 397.05,73.66 ; 337.01,415.29 DPS2.A05 ; DPS2.A05 338.63,415.29 ; DPS2.A05 337.82,414.48 ; DPS2.A05 337.82,416.1 ; D122.A8 251.46,77.01 ; D122.A8 250.65,76.2 ; D122.A8 252.27,76.2 ; D122.A8 251.46,75.39 ; 174.45,375.92 D231.A11 ; D231.A11 176.07,375.92 ; D231.A11 175.26,376.73 ; D231.A11 175.26,375.11 ; 110.95,33.02 D132.A11 ; D132.A11 111.76,33.83 ; D132.A11 112.57,33.02 ; D132.A11 111.76,32.21 ; D111.A8 403.86,374.19 ; D111.A8 403.86,372.57 ; D111.A8 404.67,373.38 ; D111.A8 403.05,373.38 ; D302.B7 323.29,68.58 ; D302.B7 322.58,69.29 ; D302.B7 321.87,68.58 ; D302.B7 322.58,67.87 ; D108.B14 414.02,41.45 ; D108.B14 414.02,39.83 ; D108.B14 414.83,40.64 ; D108.B14 413.21,40.64 ; D119.A11 186.23,53.34 ; D119.A11 184.61,53.34 ; D119.A11 185.42,54.15 ; D119.A11 185.42,52.53 ; 164.29,386.08 D431.A15 ; D431.A15 165.91,386.08 ; D431.A15 165.1,386.89 ; D431.A15 165.1,385.27 ; 123.65,76.2 D130.A16 ; D130.A16 124.46,77.01 ; D130.A16 124.46,75.39 ; D130.A16 125.27,76.2 ; D126.B8 30.48,82.09 ; D126.B8 31.29,81.28 ; D126.B8 30.48,80.47 ; D126.B8 29.67,81.28 ; 382.83,86.36 D305.A2 ; D305.A2 384.25,86.36 ; D305.A2 383.54,87.07 ; D305.A2 383.54,85.65 ; 382.73,388.62 D112.B16 ; D112.B16 384.35,388.62 ; D112.B16 383.54,387.81 ; D112.B16 383.54,389.43 ; D129.A1 86.36,94.79 ; D129.A1 85.55,93.98 ; D129.A1 86.36,93.17 ; D129.A1 87.17,93.98 ; 398.78,39.83 D108.B8 ; D108.B8 399.59,40.64 ; D108.B8 398.78,41.45 ; D108.B8 397.97,40.64 ; D106.A9 401.32,74.47 ; D106.A9 402.13,73.66 ; D106.A9 400.51,73.66 ; D106.A9 401.32,72.85 ; D131.A16 125.27,55.88 ; D131.A16 123.65,55.88 ; D131.A16 124.46,56.69 ; D131.A16 124.46,55.07 ; 256.54,90.73 D321.B10 ; D321.B10 256.54,92.15 ; D321.B10 257.25,91.44 ; D321.B10 255.83,91.44 ; D131.B6 99.06,61.77 ; D131.B6 99.87,60.96 ; D131.B6 99.06,60.15 ; D131.B6 98.25,60.96 ; D114.A4 341.17,353.06 ; D114.A4 339.55,353.06 ; D114.A4 340.36,352.25 ; D114.A4 340.36,353.87 ; S1_I2C.4 71.55,209.04 ; S1_I2C.4 70.61,208.1 ; S1_I2C.4 70.61,209.98 ; S1_I2C.4 69.67,209.04 ; 42.37,73.66 D126.A13 ; D126.A13 43.99,73.66 ; D126.A13 43.18,74.47 ; D126.A13 43.18,72.85 ; D306.A10 404.57,66.04 ; D306.A10 403.86,65.33 ; D306.A10 403.15,66.04 ; D306.A10 403.86,66.75 ; 109.22,39.83 D132.B10 ; D132.B10 109.22,41.45 ; D132.B10 108.41,40.64 ; D132.B10 110.03,40.64 ; D129.A10 110.03,96.52 ; D129.A10 109.22,97.33 ; D129.A10 109.22,95.71 ; D129.A10 108.41,96.52 ; D115.A3 342.9,376.73 ; D115.A3 343.71,375.92 ; D115.A3 342.09,375.92 ; D115.A3 342.9,375.11 ; D321.A14 266.7,87.07 ; D321.A14 266.7,85.65 ; D321.A14 267.41,86.36 ; D321.A14 265.99,86.36 ; 264.16,77.93 D122.B13 ; D122.B13 264.16,79.55 ; D122.B13 263.35,78.74 ; D122.B13 264.97,78.74 ; 320.04,65.33 D302.A6 ; D302.A6 320.75,66.04 ; D302.A6 319.33,66.04 ; D302.A6 320.04,66.75 ; D104.A7 323.39,33.02 ; D104.A7 322.58,32.21 ; D104.A7 322.58,33.83 ; D104.A7 321.77,33.02 ; D122.B16 272.59,81.28 ; D122.B16 271.78,80.47 ; D122.B16 270.97,81.28 ; D122.B16 271.78,82.09 ; 309.07,347.98 D114.B16 ; D114.B16 309.88,348.79 ; D114.B16 309.88,347.17 ; D114.B16 310.69,347.98 ; D431.A10 177.8,384.35 ; D431.A10 178.61,383.54 ; D431.A10 177.8,382.73 ; D431.A10 176.99,383.54 ; D132.B6 99.87,40.64 ; D132.B6 99.06,41.45 ; D132.B6 98.25,40.64 ; D132.B6 99.06,39.83 ; D106.B3 386.89,78.74 ; D106.B3 386.08,79.55 ; D106.B3 386.08,77.93 ; D106.B3 385.27,78.74 ; SITE3.G4 251.33,181.81 ; SITE3.G4 250.85,181.33 ; SITE3.G4 251.33,180.85 ; SITE3.G4 251.81,181.33 ; 260.91,66.04 D322.A12 ; D322.A12 262.33,66.04 ; D322.A12 261.62,66.75 ; D322.A12 261.62,65.33 ; D120.A11 185.42,33.83 ; D120.A11 184.61,33.02 ; D120.A11 186.23,33.02 ; D120.A11 185.42,32.21 ; DPS3.A15 270.05,13.97 ; DPS3.A15 269.24,13.16 ; DPS3.A15 269.24,14.78 ; DPS3.A15 268.43,13.97 ; D107.A12 409.75,55.88 ; D107.A12 408.13,55.88 ; D107.A12 408.94,56.69 ; D107.A12 408.94,55.07 ; 233.68,77.93 D122.B1 ; D122.B1 232.87,78.74 ; D122.B1 234.49,78.74 ; D122.B1 233.68,79.55 ; D106.B14 414.02,82.09 ; D106.B14 413.21,81.28 ; D106.B14 414.02,80.47 ; D106.B14 414.83,81.28 ; D115.A13 317.5,376.73 ; D115.A13 318.31,375.92 ; D115.A13 316.69,375.92 ; D115.A13 317.5,375.11 ; D131.A14 119.38,56.69 ; D131.A14 120.19,55.88 ; D131.A14 119.38,55.07 ; D131.A14 118.57,55.88 ; D302.B6 320.75,71.12 ; D302.B6 320.04,70.41 ; D302.B6 320.04,71.83 ; D302.B6 319.33,71.12 ; 312.42,32.21 D104.A3 ; D104.A3 311.61,33.02 ; D104.A3 312.42,33.83 ; D104.A3 313.23,33.02 ; D107.B2 383.54,61.77 ; D107.B2 382.73,60.96 ; D107.B2 383.54,60.15 ; D107.B2 384.35,60.96 ; D120.B2 162.56,41.45 ; D120.B2 162.56,39.83 ; D120.B2 163.37,40.64 ; D120.B2 161.75,40.64 ; 406.4,62.79 D306.A11 ; D306.A11 405.69,63.5 ; D306.A11 406.4,64.21 ; D306.A11 407.11,63.5 ; D130.B1 87.17,78.74 ; D130.B1 86.36,79.55 ; D130.B1 86.36,77.93 ; D130.B1 85.55,78.74 ; 418.29,332.74 D109.A2 ; D109.A2 419.91,332.74 ; D109.A2 419.1,333.55 ; D109.A2 419.1,331.93 ; 15.24,60.15 D127.B2 ; D127.B2 16.05,60.96 ; D127.B2 15.24,61.77 ; D127.B2 14.43,60.96 ; 238.76,37.29 D124.B3 ; D124.B3 237.95,38.1 ; D124.B3 238.76,38.91 ; D124.B3 239.57,38.1 ; 342.09,78.74 D102.B15 ; D102.B15 342.9,79.55 ; D102.B15 342.9,77.93 ; D102.B15 343.71,78.74 ; 319.23,347.98 D114.B12 ; D114.B12 320.04,347.17 ; D114.B12 320.04,348.79 ; D114.B12 320.85,347.98 ; DPS1.C11 406.4,19.86 ; DPS1.C11 406.4,18.24 ; DPS1.C11 405.59,19.05 ; DPS1.C11 407.21,19.05 ; CSDPS225.B12 247.19,332.74 ; CSDPS225.B12 245.57,332.74 ; CSDPS225.B12 246.38,333.55 ; CSDPS225.B12 246.38,331.93 ; D128.B4 20.32,41.45 ; D128.B4 21.13,40.64 ; D128.B4 20.32,39.83 ; D128.B4 19.51,40.64 ; 161.75,368.3 D231.B16 ; D231.B16 162.56,369.11 ; D231.B16 162.56,367.49 ; D231.B16 163.37,368.3 ; 337.01,335.28 D113.A5 ; D113.A5 337.82,334.47 ; D113.A5 337.82,336.09 ; D113.A5 338.63,335.28 ; 421.64,390.35 D112.B1 ; D112.B1 421.64,391.97 ; D112.B1 422.45,391.16 ; D112.B1 420.83,391.16 ; 195.58,37.29 D120.B15 ; D120.B15 195.58,38.91 ; D120.B15 196.39,38.1 ; D120.B15 194.77,38.1 ; 176.99,373.38 D231.A10 ; D231.A10 178.61,373.38 ; D231.A10 177.8,372.57 ; D231.A10 177.8,374.19 ; D123.B8 251.46,61.77 ; D123.B8 250.65,60.96 ; D123.B8 251.46,60.15 ; D123.B8 252.27,60.96 ; D301.B8 325.12,92.15 ; D301.B8 325.83,91.44 ; D301.B8 325.12,90.73 ; D301.B8 324.41,91.44 ; D102.A16 345.44,77.01 ; D102.A16 345.44,75.39 ; D102.A16 346.25,76.2 ; D102.A16 344.63,76.2 ; D125.A14 45.72,97.33 ; D125.A14 45.72,95.71 ; D125.A14 44.91,96.52 ; D125.A14 46.53,96.52 ; 243.84,339.55 CSDPS425.C13 ; CSDPS425.C13 243.03,340.36 ; CSDPS425.C13 244.65,340.36 ; CSDPS425.C13 243.84,341.17 ; D127.B13 43.99,58.42 ; D127.B13 43.18,59.23 ; D127.B13 43.18,57.61 ; D127.B13 42.37,58.42 ; D110.A10 399.59,353.06 ; D110.A10 398.78,353.87 ; D110.A10 398.78,352.25 ; D110.A10 397.97,353.06 ; 344.73,86.36 D301.A16 ; D301.A16 345.44,85.65 ; D301.A16 346.15,86.36 ; D301.A16 345.44,87.07 ; D109.B12 394.51,327.66 ; D109.B12 393.7,328.47 ; D109.B12 393.7,326.85 ; D109.B12 392.89,327.66 ; 182.88,331.93 CSDPS229.B8 ; CSDPS229.B8 183.69,332.74 ; CSDPS229.B8 182.07,332.74 ; CSDPS229.B8 182.88,333.55 ; 380.19,58.42 D107.B1 ; D107.B1 381,57.61 ; D107.B1 381.81,58.42 ; D107.B1 381,59.23 ; 250.65,81.28 D122.B8 ; D122.B8 251.46,80.47 ; D122.B8 252.27,81.28 ; D122.B8 251.46,82.09 ; 177.8,377.65 D431.B10 ; D431.B10 177.8,379.27 ; D431.B10 176.99,378.46 ; D431.B10 178.61,378.46 ; D126.B14 45.72,82.09 ; D126.B14 46.53,81.28 ; D126.B14 44.91,81.28 ; D126.B14 45.72,80.47 ; D120.A2 163.37,35.56 ; D120.A2 161.75,35.56 ; D120.A2 162.56,34.75 ; D120.A2 162.56,36.37 ; D104.B16 345.44,41.45 ; D104.B16 346.25,40.64 ; D104.B16 344.63,40.64 ; D104.B16 345.44,39.83 ; D113.B4 341.17,327.66 ; D113.B4 339.55,327.66 ; D113.B4 340.36,328.47 ; D113.B4 340.36,326.85 ; 199.85,415.29 DPS8.A01 ; DPS8.A01 201.47,415.29 ; DPS8.A01 200.66,416.1 ; DPS8.A01 200.66,414.48 ; 413.31,91.44 D305.B14 ; D305.B14 414.73,91.44 ; D305.B14 414.02,90.73 ; D305.B14 414.02,92.15 ; 106.68,52.53 D131.A9 ; D131.A9 105.87,53.34 ; D131.A9 107.49,53.34 ; D131.A9 106.68,54.15 ; 327.66,37.29 D104.B9 ; D104.B9 327.66,38.91 ; D104.B9 328.47,38.1 ; D104.B9 326.85,38.1 ; 420.83,370.84 D111.B1 ; D111.B1 421.64,370.03 ; D111.B1 422.45,370.84 ; D111.B1 421.64,371.65 ; 14.43,55.88 D127.A2 ; D127.A2 16.05,55.88 ; D127.A2 15.24,56.69 ; D127.A2 15.24,55.07 ; D119.B10 182.88,61.77 ; D119.B10 182.88,60.15 ; D119.B10 183.69,60.96 ; D119.B10 182.07,60.96 ; CSDPS225.C13 244.65,330.2 ; CSDPS225.C13 243.03,330.2 ; CSDPS225.C13 243.84,331.01 ; CSDPS225.C13 243.84,329.39 ; 124.46,100.79 D129.B16 ; D129.B16 124.46,102.41 ; D129.B16 123.65,101.6 ; D129.B16 125.27,101.6 ; DPS3.C01 234.49,19.05 ; DPS3.C01 232.87,19.05 ; DPS3.C01 233.68,18.24 ; DPS3.C01 233.68,19.86 ; 413.21,347.98 D110.B4 ; D110.B4 414.02,348.79 ; D110.B4 414.02,347.17 ; D110.B4 414.83,347.98 ; 252.85,241.33 SITE1.G6 ; SITE1.G6 253.33,240.85 ; SITE1.G6 253.81,241.33 ; SITE1.G6 253.33,241.81 ; D317.A16 198.83,86.36 ; D317.A16 197.41,86.36 ; D317.A16 198.12,87.07 ; D317.A16 198.12,85.65 ; 14.43,101.6 D125.B2 ; D125.B2 15.24,102.41 ; D125.B2 16.05,101.6 ; D125.B2 15.24,100.79 ; D318.B16 198.12,71.83 ; D318.B16 197.41,71.12 ; D318.B16 198.83,71.12 ; D318.B16 198.12,70.41 